# Altium PCB Goldstrike1_Rev01 2014 06 02.PcbDoc (part 3 of 5) (continued)
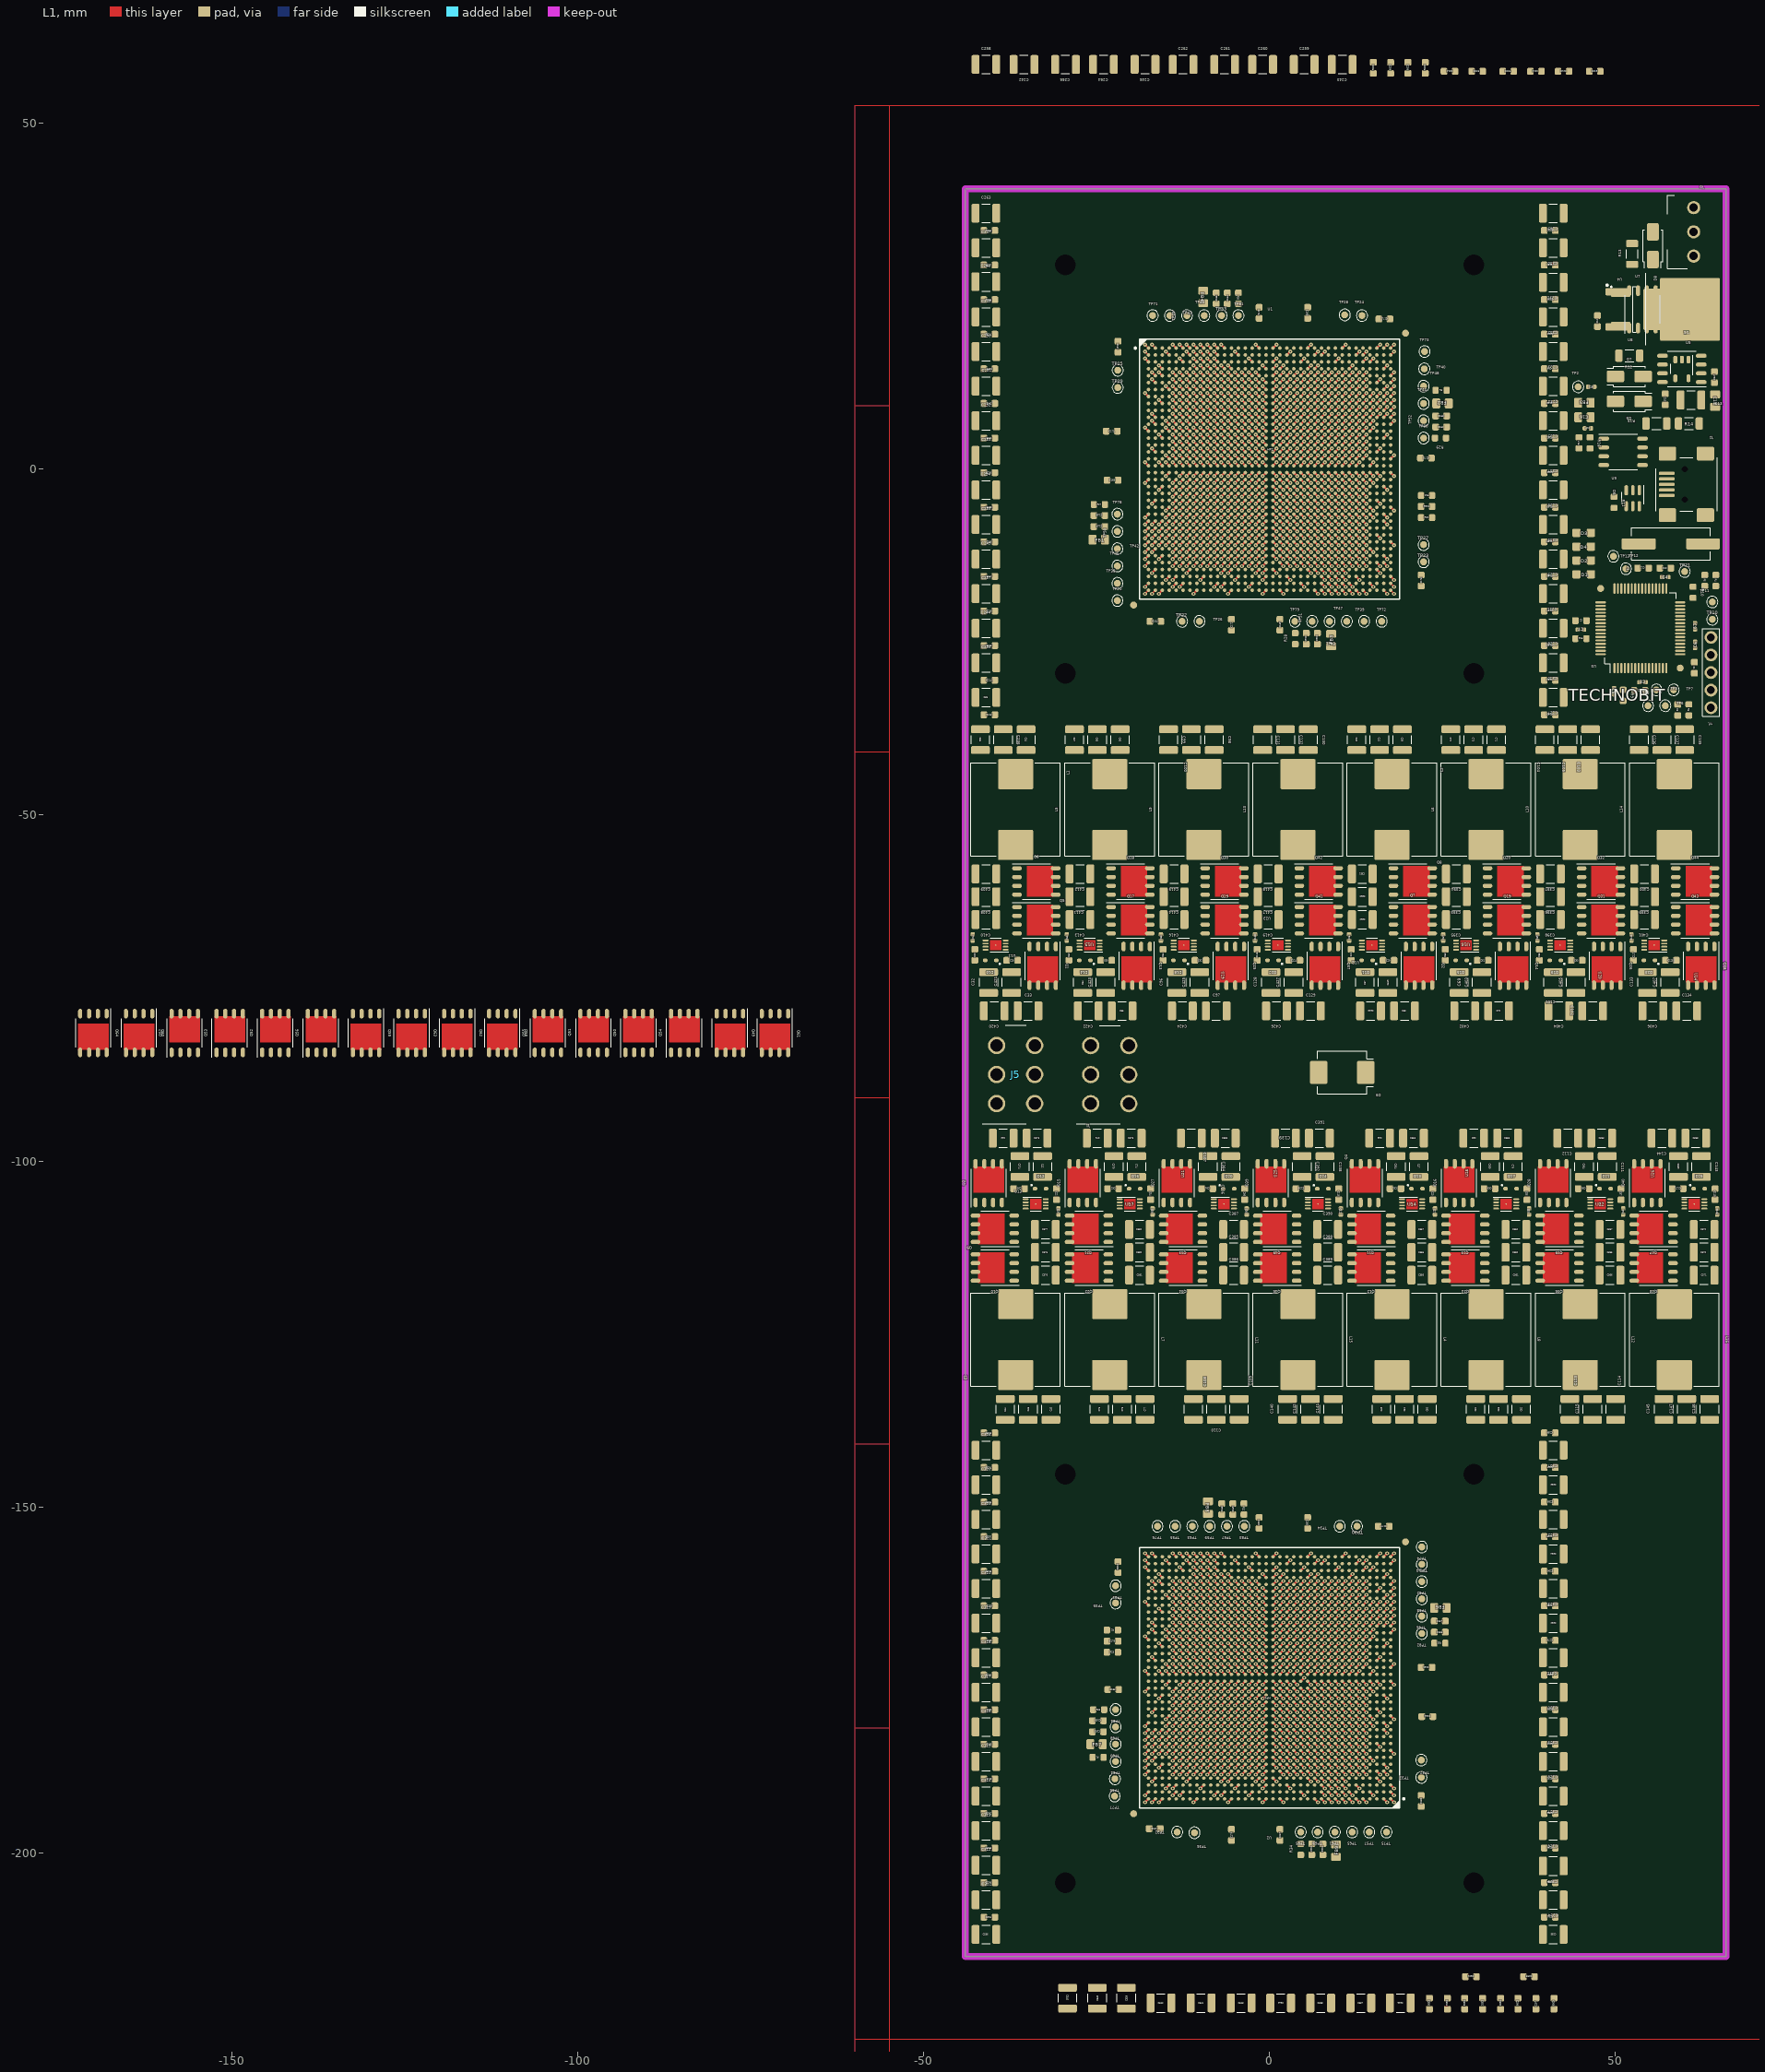
[diagram p0: L1 view]
## Nets (pads, with @x,y where several pads share a name; then routed paths per layer and width w, separated by ;. In a path a pad name is that pad's centre, name@x,y a point inside that pad or via, vN(x,y) a via of type N, cw(c..) or ccw(c..) an arc to the next point about the centre after c; other vN are vias at no path point) (continued)
  L1 w0.3: v1(-18,-182.7) U2.L36@-17.5,-182.2 ; v1(-18,-8) U1.AF1@-17.5,-7.5 ; v1(-15,-173.7) U2.W33@-14.5,-174.2 ; v1(-15,1) U1.V4@-14.5,0.5 ; v1(-14,-186.7) U2.G32@-13.5,-186.2 ; v1(-14,-184.7) U2.J32@-13.5,-184.2 ; v1(-14,-180.7) U2.N32@-13.5,-180.2 ; v1(-14,-172.7) U2.Y32@-13.5,-173.2 ; v1(-14,-170.7) U2.AB32@-13.5,-171.2 ; v1(-14,-168.7) U2.AD32@-13.5,-169.2 ; v1(-14,-166.7) U2.AF32@-13.5,-167.2 ; v1(-14,-164.7) U2.AH32@-13.5,-165.2 ; v1(-14,-12) U1.AK5@-13.5,-11.5 ; v1(-14,-10) U1.AH5@-13.5,-9.5 ; v1(-14,-6) U1.AD5@-13.5,-5.5 ; v1(-14,2) U1.U5@-13.5,1.5 ; v1(-14,4) U1.R5@-13.5,3.5 ; v1(-14,6) U1.N5@-13.5,5.5 ; v1(-14,8) U1.L5@-13.5,7.5 ; v1(-14,10) U1.J5@-13.5,9.5 ; v1(-13,-187.7) U2.F31@-12.5,-187.2 ; v1(-13,-185.7) U2.H31@-12.5,-185.2 ; v1(-13,-183.7) U2.K31@-12.5,-183.2 ; v1(-13,-181.7) U2.M31@-12.5,-181.2 ; v1(-13,-179.7) U2.P31@-12.5,-179.2 ; v1(-13,-177.7) U2.T31@-12.5,-177.2 ; v1(-13,-175.7) U2.V31@-12.5,-175.2 ; v1(-13,-173.7) U2.W31@-12.5,-174.2 ; v1(-13,-171.7) U2.AA31@-12.5,-172.2 ; v1(-13,-169.7) U2.AC31@-12.5,-170.2 ; v1(-13,-167.7) U2.AE31@-12.5,-168.2 ; v1(-13,-165.7) U2.AG31@-12.5,-166.2 ; v1(-13,-163.7) U2.AJ31@-12.5,-164.2 ; v1(-13,-161.7) U2.AL31@-12.5,-162.2 ; v1(-13,-13) U1.AL6@-12.5,-12.5 ; v1(-13,-11) U1.AJ6@-12.5,-10.5 ; v1(-13,-9) U1.AG6@-12.5,-8.5 ; v1(-13,-7) U1.AE6@-12.5,-6.5 ; v1(-13,-5) U1.AC6@-12.5,-4.5 ; v1(-13,-3) U1.AA6@-12.5,-2.5 ; v1(-13,-1) U1.W6@-12.5,-0.5 ; v1(-13,1) U1.V6@-12.5,0.5 ; v1(-13,3) U1.T6@-12.5,2.5 ; v1(-13,5) U1.P6@-12.5,4.5 ; v1(-13,7) U1.M6@-12.5,6.5 ; v1(-13,9) U1.K6@-12.5,8.5 ; v1(-13,11) U1.H6@-12.5,10.5 ; v1(-13,13) U1.F6@-12.5,12.5 ; v1(-12,-186.7) U2.G30@-11.5,-186.2 ; v1(-12,-184.7) U2.J30@-11.5,-184.2 ; v1(-12,-182.7) U2.L30@-11.5,-182.2 ; v1(-12,-180.7) U2.N30@-11.5,-180.2 ; v1(-12,-178.7) U2.R30@-11.5,-178.2 ; v1(-12,-176.7) U2.U30@-11.5,-176.2 ; v1(-12,-172.7) U2.Y30@-11.5,-173.2 ; v1(-12,-170.7) U2.AB30@-11.5,-171.2 ; v1(-12,-168.7) U2.AD30@-11.5,-169.2 ; v1(-12,-166.7) U2.AF30@-11.5,-167.2 ; v1(-12,-164.7) U2.AH30@-11.5,-165.2 ; v1(-12,-162.7) U2.AK30@-11.5,-163.2 ; v1(-12,-160.7) U2.AM30@-11.5,-161.2 ; v1(-12,-12) U1.AK7@-11.5,-11.5 ; v1(-12,-10) U1.AH7@-11.5,-9.5 ; v1(-12,-8) U1.AF7@-11.5,-7.5 ; v1(-12,-6) U1.AD7@-11.5,-5.5 ; v1(-12,-4) U1.AB7@-11.5,-3.5 ; v1(-12,-2) U1.Y7@-11.5,-1.5 ; v1(-12,2) U1.U7@-11.5,1.5 ; v1(-12,4) U1.R7@-11.5,3.5 ; v1(-12,6) U1.N7@-11.5,5.5 ; v1(-12,8) U1.L7@-11.5,7.5 ; v1(-12,10) U1.J7@-11.5,9.5 ; v1(-12,12) U1.G7@-11.5,11.5 ; v1(-12,14) U1.E7@-11.5,13.5 ; v1(-11,-187.7) U2.F29@-10.5,-187.2 ; v1(-11,-185.7) U2.H29@-10.5,-185.2 ; v1(-11,-183.7) U2.K29@-10.5,-183.2 ; v1(-11,-181.7) U2.M29@-10.5,-181.2 ; v1(-11,-179.7) U2.P29@-10.5,-179.2 ; v1(-11,-177.7) U2.T29@-10.5,-177.2 ; v1(-11,-175.7) U2.V29@-10.5,-175.2 ; v1(-11,-173.7) U2.W29@-10.5,-174.2 ; v1(-11,-171.7) U2.AA29@-10.5,-172.2 ; v1(-11,-169.7) U2.AC29@-10.5,-170.2 ; v1(-11,-167.7) U2.AE29@-10.5,-168.2 ; v1(-11,-165.7) U2.AG29@-10.5,-166.2 ; v1(-11,-163.7) U2.AJ29@-10.5,-164.2 ; v1(-11,-161.7) U2.AL29@-10.5,-162.2 ; v1(-11,-13) U1.AL8@-10.5,-12.5 ; v1(-11,-11) U1.AJ8@-10.5,-10.5 ; v1(-11,-9) U1.AG8@-10.5,-8.5 ; v1(-11,-7) U1.AE8@-10.5,-6.5 ; v1(-11,-5) U1.AC8@-10.5,-4.5 ; v1(-11,-3) U1.AA8@-10.5,-2.5 ; v1(-11,-1) U1.W8@-10.5,-0.5 ; v1(-11,1) U1.V8@-10.5,0.5 ; v1(-11,3) U1.T8@-10.5,2.5 ; v1(-11,5) U1.P8@-10.5,4.5 ; v1(-11,7) U1.M8@-10.5,6.5 ; v1(-11,9) U1.K8@-10.5,8.5 ; v1(-11,11) U1.H8@-10.5,10.5 ; v1(-11,13) U1.F8@-10.5,12.5 ; v1(-10,-188.7) U2.E28@-9.5,-188.2 ; v1(-10,-186.7) U2.G28@-9.5,-186.2 ; v1(-10,-184.7) U2.J28@-9.5,-184.2 ; v1(-10,-182.7) U2.L28@-9.5,-182.2 ; v1(-10,-180.7) U2.N28@-9.5,-180.2 ; v1(-10,-178.7) U2.R28@-9.5,-178.2 ; v1(-10,-176.7) U2.U28@-9.5,-176.2 ; v1(-10,-172.7) U2.Y28@-9.5,-173.2 ; v1(-10,-170.7) U2.AB28@-9.5,-171.2 ; v1(-10,-168.7) U2.AD28@-9.5,-169.2 ; v1(-10,-166.7) U2.AF28@-9.5,-167.2 ; v1(-10,-164.7) U2.AH28@-9.5,-165.2 ; v1(-10,-162.7) U2.AK28@-9.5,-163.2 ; v1(-10,-160.7) U2.AM28@-9.5,-161.2 ; v1(-10,-14) U1.AM9@-9.5,-13.5 ; v1(-10,-12) U1.AK9@-9.5,-11.5 ; v1(-10,-10) U1.AH9@-9.5,-9.5 ; v1(-10,-8) U1.AF9@-9.5,-7.5 ; v1(-10,-6) U1.AD9@-9.5,-5.5 ; v1(-10,-4) U1.AB9@-9.5,-3.5 ; v1(-10,-2) U1.Y9@-9.5,-1.5 ; v1(-10,2) U1.U9@-9.5,1.5 ; v1(-10,4) U1.R9@-9.5,3.5 ; v1(-10,6) U1.N9@-9.5,5.5 ; v1(-10,8) U1.L9@-9.5,7.5 ; v1(-10,10) U1.J9@-9.5,9.5 ; v1(-10,12) U1.G9@-9.5,11.5 ; v1(-10,14) U1.E9@-9.5,13.5 ; v1(-9,-187.7) U2.F27@-8.5,-187.2 ; v1(-9,-185.7) U2.H27@-8.5,-185.2 ; v1(-9,-183.7) U2.K27@-8.5,-183.2 ; v1(-9,-181.7) U2.M27@-8.5,-181.2 ; v1(-9,-179.7) U2.P27@-8.5,-179.2 ; v1(-9,-177.7) U2.T27@-8.5,-177.2 ; v1(-9,-175.7) U2.V27@-8.5,-175.2 ; v1(-9,-173.7) U2.W27@-8.5,-174.2 ; v1(-9,-171.7) U2.AA27@-8.5,-172.2 ; v1(-9,-169.7) U2.AC27@-8.5,-170.2 ; v1(-9,-167.7) U2.AE27@-8.5,-168.2 ; v1(-9,-165.7) U2.AG27@-8.5,-166.2 ; v1(-9,-163.7) U2.AJ27@-8.5,-164.2 ; v1(-9,-161.7) U2.AL27@-8.5,-162.2 ; v1(-9,-13) U1.AL10@-8.5,-12.5 ; v1(-9,-11) U1.AJ10@-8.5,-10.5 ; v1(-9,-9) U1.AG10@-8.5,-8.5 ; v1(-9,-7) U1.AE10@-8.5,-6.5 ; v1(-9,-5) U1.AC10@-8.5,-4.5 ; v1(-9,-3) U1.AA10@-8.5,-2.5 ; v1(-9,-1) U1.W10@-8.5,-0.5 ; v1(-9,1) U1.V10@-8.5,0.5 ; v1(-9,3) U1.T10@-8.5,2.5 ; v1(-9,5) U1.P10@-8.5,4.5 ; v1(-9,7) U1.M10@-8.5,6.5 ; v1(-9,9) U1.K10@-8.5,8.5 ; v1(-9,11) U1.H10@-8.5,10.5 ; v1(-9,13) U1.F10@-8.5,12.5 ; v1(-8,-188.7) U2.E26@-7.5,-188.2 ; v1(-8,-186.7) U2.G26@-7.5,-186.2 ; v1(-8,-184.7) U2.J26@-7.5,-184.2 ; v1(-8,-182.7) U2.L26@-7.5,-182.2 ; v1(-8,-180.7) U2.N26@-7.5,-180.2 ; v1(-8,-178.7) U2.R26@-7.5,-178.2 ; v1(-8,-176.7) U2.U26@-7.5,-176.2 ; v1(-8,-172.7) U2.Y26@-7.5,-173.2 ; v1(-8,-170.7) U2.AB26@-7.5,-171.2 ; v1(-8,-168.7) U2.AD26@-7.5,-169.2 ; v1(-8,-166.7) U2.AF26@-7.5,-167.2 ; v1(-8,-164.7) U2.AH26@-7.5,-165.2 ; v1(-8,-162.7) U2.AK26@-7.5,-163.2 ; v1(-8,-156.7) U2.AT26@-7.5,-157.2 ; v1(-8,-14) U1.AM11@-7.5,-13.5 ; v1(-8,-12) U1.AK11@-7.5,-11.5 ; v1(-8,-10) U1.AH11@-7.5,-9.5 ; v1(-8,-8) U1.AF11@-7.5,-7.5 ; v1(-8,-6) U1.AD11@-7.5,-5.5 ; v1(-8,-4) U1.AB11@-7.5,-3.5 ; v1(-8,-2) U1.Y11@-7.5,-1.5 ; v1(-8,2) U1.U11@-7.5,1.5 ; v1(-8,4) U1.R11@-7.5,3.5 ; v1(-8,6) U1.N11@-7.5,5.5 ; v1(-8,8) U1.L11@-7.5,7.5 ; v1(-8,10) U1.J11@-7.5,9.5 ; v1(-8,12) U1.G11@-7.5,11.5 ; v1(-8,18) U1.A11@-7.5,17.5 ; v1(-7,-187.7) U2.F25@-6.5,-187.2 ; v1(-7,-185.7) U2.H25@-6.5,-185.2 ; v1(-7,-183.7) U2.K25@-6.5,-183.2 ; v1(-7,-181.7) U2.M25@-6.5,-181.2 ; v1(-7,-179.7) U2.P25@-6.5,-179.2 ; v1(-7,-177.7) U2.T25@-6.5,-177.2 ; v1(-7,-175.7) U2.V25@-6.5,-175.2 ; v1(-7,-173.7) U2.W25@-6.5,-174.2 ; v1(-7,-171.7) U2.AA25@-6.5,-172.2 ; v1(-7,-169.7) U2.AC25@-6.5,-170.2 ; v1(-7,-167.7) U2.AE25@-6.5,-168.2 ; v1(-7,-165.7) U2.AG25@-6.5,-166.2 ; v1(-7,-163.7) U2.AJ25@-6.5,-164.2 ; v1(-7,-161.7) U2.AL25@-6.5,-162.2 ; v1(-7,-13) U1.AL12@-6.5,-12.5 ; v1(-7,-11) U1.AJ12@-6.5,-10.5 ; v1(-7,-9) U1.AG12@-6.5,-8.5 ; v1(-7,-7) U1.AE12@-6.5,-6.5 ; v1(-7,-5) U1.AC12@-6.5,-4.5 ; v1(-7,-3) U1.AA12@-6.5,-2.5 ; v1(-7,-1) U1.W12@-6.5,-0.5 ; v1(-7,1) U1.V12@-6.5,0.5 ; v1(-7,3) U1.T12@-6.5,2.5 ; v1(-7,5) U1.P12@-6.5,4.5 ; v1(-7,7) U1.M12@-6.5,6.5 ; v1(-7,9) U1.K12@-6.5,8.5 ; v1(-7,11) U1.H12@-6.5,10.5 ; v1(-7,13) U1.F12@-6.5,12.5 ; v1(-6,-188.7) U2.E24@-5.5,-188.2 ; v1(-6,-186.7) U2.G24@-5.5,-186.2 ; v1(-6,-184.7) U2.J24@-5.5,-184.2 ; v1(-6,-182.7) U2.L24@-5.5,-182.2 ; v1(-6,-180.7) U2.N24@-5.5,-180.2 ; v1(-6,-178.7) U2.R24@-5.5,-178.2 ; v1(-6,-176.7) U2.U24@-5.5,-176.2 ; v1(-6,-172.7) U2.Y24@-5.5,-173.2 ; v1(-6,-170.7) U2.AB24@-5.5,-171.2 ; v1(-6,-168.7) U2.AD24@-5.5,-169.2 ; v1(-6,-166.7) U2.AF24@-5.5,-167.2 ; v1(-6,-164.7) U2.AH24@-5.5,-165.2 ; v1(-6,-162.7) U2.AK24@-5.5,-163.2 ; v1(-6,-160.7) U2.AM24@-5.5,-161.2 ; v1(-6,-14) U1.AM13@-5.5,-13.5 ; v1(-6,-12) U1.AK13@-5.5,-11.5 ; v1(-6,-10) U1.AH13@-5.5,-9.5 ; v1(-6,-8) U1.AF13@-5.5,-7.5 ; v1(-6,-6) U1.AD13@-5.5,-5.5 ; v1(-6,-4) U1.AB13@-5.5,-3.5 ; v1(-6,-2) U1.Y13@-5.5,-1.5 ; v1(-6,2) U1.U13@-5.5,1.5 ; v1(-6,4) U1.R13@-5.5,3.5 ; v1(-6,6) U1.N13@-5.5,5.5 ; v1(-6,8) U1.L13@-5.5,7.5 ; v1(-6,10) U1.J13@-5.5,9.5 ; v1(-6,12) U1.G13@-5.5,11.5 ; v1(-6,14) U1.E13@-5.5,13.5 ; v1(-5,-187.7) U2.F23@-4.5,-187.2 ; v1(-5,-185.7) U2.H23@-4.5,-185.2 ; v1(-5,-183.7) U2.K23@-4.5,-183.2 ; v1(-5,-181.7) U2.M23@-4.5,-181.2 ; v1(-5,-179.7) U2.P23@-4.5,-179.2 ; v1(-5,-177.7) U2.T23@-4.5,-177.2 ; v1(-5,-175.7) U2.V23@-4.5,-175.2 ; v1(-5,-173.7) U2.W23@-4.5,-174.2 ; v1(-5,-171.7) U2.AA23@-4.5,-172.2 ; v1(-5,-169.7) U2.AC23@-4.5,-170.2 ; v1(-5,-167.7) U2.AE23@-4.5,-168.2 ; v1(-5,-165.7) U2.AG23@-4.5,-166.2 ; v1(-5,-163.7) U2.AJ23@-4.5,-164.2 ; v1(-5,-161.7) U2.AL23@-4.5,-162.2 ; v1(-5,-13) U1.AL14@-4.5,-12.5 ; v1(-5,-11) U1.AJ14@-4.5,-10.5 ; v1(-5,-9) U1.AG14@-4.5,-8.5 ; v1(-5,-7) U1.AE14@-4.5,-6.5 ; v1(-5,-5) U1.AC14@-4.5,-4.5 ; v1(-5,-3) U1.AA14@-4.5,-2.5 ; v1(-5,-1) U1.W14@-4.5,-0.5 ; v1(-5,1) U1.V14@-4.5,0.5 ; v1(-5,3) U1.T14@-4.5,2.5 ; v1(-5,5) U1.P14@-4.5,4.5 ; v1(-5,7) U1.M14@-4.5,6.5 ; v1(-5,9) U1.K14@-4.5,8.5 ; v1(-5,11) U1.H14@-4.5,10.5 ; v1(-5,13) U1.F14@-4.5,12.5 ; v1(-4,-188.7) U2.E22@-3.5,-188.2 ; v1(-4,-186.7) U2.G22@-3.5,-186.2 ; v1(-4,-184.7) U2.J22@-3.5,-184.2 ; v1(-4,-182.7) U2.L22@-3.5,-182.2 ; v1(-4,-180.7) U2.N22@-3.5,-180.2 ; v1(-4,-178.7) U2.R22@-3.5,-178.2 ; v1(-4,-176.7) U2.U22@-3.5,-176.2 ; v1(-4,-172.7) U2.Y22@-3.5,-173.2 ; v1(-4,-170.7) U2.AB22@-3.5,-171.2 ; v1(-4,-168.7) U2.AD22@-3.5,-169.2 ; v1(-4,-166.7) U2.AF22@-3.5,-167.2 ; v1(-4,-164.7) U2.AH22@-3.5,-165.2 ; v1(-4,-162.7) U2.AK22@-3.5,-163.2 ; v1(-4,-14) U1.AM15@-3.5,-13.5 ; v1(-4,-12) U1.AK15@-3.5,-11.5 ; v1(-4,-10) U1.AH15@-3.5,-9.5 ; v1(-4,-8) U1.AF15@-3.5,-7.5 ; v1(-4,-6) U1.AD15@-3.5,-5.5 ; v1(-4,-4) U1.AB15@-3.5,-3.5 ; v1(-4,-2) U1.Y15@-3.5,-1.5 ; v1(-4,2) U1.U15@-3.5,1.5 ; v1(-4,4) U1.R15@-3.5,3.5 ; v1(-4,6) U1.N15@-3.5,5.5 ; v1(-4,8) U1.L15@-3.5,7.5 ; v1(-4,10) U1.J15@-3.5,9.5 ; v1(-4,12) U1.G15@-3.5,11.5 ; v1(-3,-187.7) U2.F21@-2.5,-187.2 ; v1(-3,-185.7) U2.H21@-2.5,-185.2 ; v1(-3,-183.7) U2.K21@-2.5,-183.2 ; v1(-3,-181.7) U2.M21@-2.5,-181.2 ; v1(-3,-179.7) U2.P21@-2.5,-179.2 ; v1(-3,-177.7) U2.T21@-2.5,-177.2 ; v1(-3,-175.7) U2.V21@-2.5,-175.2 ; v1(-3,-173.7) U2.W21@-2.5,-174.2 ; v1(-3,-171.7) U2.AA21@-2.5,-172.2 ; v1(-3,-169.7) U2.AC21@-2.5,-170.2 ; v1(-3,-167.7) U2.AE21@-2.5,-168.2 ; v1(-3,-165.7) U2.AG21@-2.5,-166.2 ; v1(-3,-163.7) U2.AJ21@-2.5,-164.2 ; v1(-3,-161.7) U2.AL21@-2.5,-162.2 ; v1(-3,-13) U1.AL16@-2.5,-12.5 ; v1(-3,-11) U1.AJ16@-2.5,-10.5 ; v1(-3,-9) U1.AG16@-2.5,-8.5 ; v1(-3,-7) U1.AE16@-2.5,-6.5 ; v1(-3,-5) U1.AC16@-2.5,-4.5 ; v1(-3,-3) U1.AA16@-2.5,-2.5 ; v1(-3,-1) U1.W16@-2.5,-0.5 ; v1(-3,1) U1.V16@-2.5,0.5 ; v1(-3,3) U1.T16@-2.5,2.5 ; v1(-3,5) U1.P16@-2.5,4.5 ; v1(-3,7) U1.M16@-2.5,6.5 ; v1(-3,9) U1.K16@-2.5,8.5 ; v1(-3,11) U1.H16@-2.5,10.5 ; v1(-3,13) U1.F16@-2.5,12.5 ; v1(-2,-188.7) U2.E20@-1.5,-188.2 ; v1(-2,-186.7) U2.G20@-1.5,-186.2 ; v1(-2,-184.7) U2.J20@-1.5,-184.2 ; v1(-2,-182.7) U2.L20@-1.5,-182.2 ; v1(-2,-180.7) U2.N20@-1.5,-180.2 ; v1(-2,-178.7) U2.R20@-1.5,-178.2 ; v1(-2,-176.7) U2.U20@-1.5,-176.2 ; v1(-2,-172.7) U2.Y20@-1.5,-173.2 ; v1(-2,-170.7) U2.AB20@-1.5,-171.2 ; v1(-2,-168.7) U2.AD20@-1.5,-169.2 ; v1(-2,-166.7) U2.AF20@-1.5,-167.2 ; v1(-2,-164.7) U2.AH20@-1.5,-165.2 ; v1(-2,-162.7) U2.AK20@-1.5,-163.2 ; v1(-2,-14) U1.AM17@-1.5,-13.5 ; v1(-2,-12) U1.AK17@-1.5,-11.5 ; v1(-2,-10) U1.AH17@-1.5,-9.5 ; v1(-2,-8) U1.AF17@-1.5,-7.5 ; v1(-2,-6) U1.AD17@-1.5,-5.5 ; v1(-2,-4) U1.AB17@-1.5,-3.5 ; v1(-2,-2) U1.Y17@-1.5,-1.5 ; v1(-2,2) U1.U17@-1.5,1.5 ; v1(-2,4) U1.R17@-1.5,3.5 ; v1(-2,6) U1.N17@-1.5,5.5 ; v1(-2,8) U1.L17@-1.5,7.5 ; v1(-2,10) U1.J17@-1.5,9.5 ; v1(-2,12) U1.G17@-1.5,11.5 ; v1(-1,-189.7) U2.D19@-0.5,-189.2 ; v1(-1,-187.7) U2.F19@-0.5,-187.2 ; v1(-1,-185.7) U2.H19@-0.5,-185.2 ; v1(-1,-183.7) U2.K19@-0.5,-183.2 ; v1(-1,-181.7) U2.M19@-0.5,-181.2 ; v1(-1,-179.7) U2.P19@-0.5,-179.2 ; v1(-1,-177.7) U2.T19@-0.5,-177.2 ; v1(-1,-175.7) U2.V19@-0.5,-175.2 ; v1(-1,-173.7) U2.W19@-0.5,-174.2 ; v1(-1,-171.7) U2.AA19@-0.5,-172.2 ; v1(-1,-169.7) U2.AC19@-0.5,-170.2 ; v1(-1,-167.7) U2.AE19@-0.5,-168.2 ; v1(-1,-165.7) U2.AG19@-0.5,-166.2 ; v1(-1,-163.7) U2.AJ19@-0.5,-164.2 ; v1(-1,-161.7) U2.AL19@-0.5,-162.2 ; v1(-1,-15) U1.AN18@-0.5,-14.5 ; v1(-1,-13) U1.AL18@-0.5,-12.5 ; v1(-1,-11) U1.AJ18@-0.5,-10.5 ; v1(-1,-9) U1.AG18@-0.5,-8.5 ; v1(-1,-7) U1.AE18@-0.5,-6.5 ; v1(-1,-5) U1.AC18@-0.5,-4.5 ; v1(-1,-3) U1.AA18@-0.5,-2.5 ; v1(-1,-1) U1.W18@-0.5,-0.5 ; v1(-1,1) U1.V18@-0.5,0.5 ; v1(-1,3) U1.T18@-0.5,2.5 ; v1(-1,5) U1.P18@-0.5,4.5 ; v1(-1,7) U1.M18@-0.5,6.5 ; v1(-1,9) U1.K18@-0.5,8.5 ; v1(-1,11) U1.H18@-0.5,10.5 ; v1(-1,13) U1.F18@-0.5,12.5 ; U2.F18@0.5,-187.2 v1(1,-187.7) ; U2.H18@0.5,-185.2 v1(1,-185.7) ; U2.K18@0.5,-183.2 v1(1,-183.7) ; U2.M18@0.5,-181.2 v1(1,-181.7) ; U2.P18@0.5,-179.2 v1(1,-179.7) ; U2.T18@0.5,-177.2 v1(1,-177.7) ; U2.V18@0.5,-175.2 v1(1,-175.7) ; U2.W18@0.5,-174.2 v1(1,-173.7) ; U2.AA18@0.5,-172.2 v1(1,-171.7) ; U2.AC18@0.5,-170.2 v1(1,-169.7) ; U2.AE18@0.5,-168.2 v1(1,-167.7) ; U2.AG18@0.5,-166.2 v1(1,-165.7) ; U2.AJ18@0.5,-164.2 v1(1,-163.7) ; U2.AL18@0.5,-162.2 v1(1,-161.7) ; U2.AN18@0.5,-160.2 v1(1,-159.7) ; U1.AL19@0.5,-12.5 v1(1,-13) ; U1.AJ19@0.5,-10.5 v1(1,-11) ; U1.AG19@0.5,-8.5 v1(1,-9) ; U1.AE19@0.5,-6.5 v1(1,-7) ; U1.AC19@0.5,-4.5 v1(1,-5) ; U1.AA19@0.5,-2.5 v1(1,-3) ; U1.W19@0.5,-0.5 v1(1,-1) ; U1.V19@0.5,0.5 v1(1,1) ; U1.T19@0.5,2.5 v1(1,3) ; U1.P19@0.5,4.5 v1(1,5) ; U1.M19@0.5,6.5 v1(1,7) ; U1.K19@0.5,8.5 v1(1,9) ; U1.H19@0.5,10.5 v1(1,11) ; U1.F19@0.5,12.5 v1(1,13) ; U1.D19@0.5,14.5 v1(1,15) ; U2.G17@1.5,-186.2 v1(2,-186.7) ; U2.J17@1.5,-184.2 v1(2,-184.7) ; U2.L17@1.5,-182.2 v1(2,-182.7) ; U2.N17@1.5,-180.2 v1(2,-180.7) ; U2.R17@1.5,-178.2 v1(2,-178.7) ; U2.U17@1.5,-176.2 v1(2,-176.7) ; U2.Y17@1.5,-173.2 v1(2,-172.7) ; U2.AB17@1.5,-171.2 v1(2,-170.7) ; U2.AD17@1.5,-169.2 v1(2,-168.7) ; U2.AF17@1.5,-167.2 v1(2,-166.7) ; U2.AH17@1.5,-165.2 v1(2,-164.7) ; U2.AK17@1.5,-163.2 v1(2,-162.7) ; U2.AM17@1.5,-161.2 v1(2,-160.7) ; U1.AK20@1.5,-11.5 v1(2,-12) ; U1.AH20@1.5,-9.5 v1(2,-10) ; U1.AF20@1.5,-7.5 v1(2,-8) ; U1.AD20@1.5,-5.5 v1(2,-6) ; U1.AB20@1.5,-3.5 v1(2,-4) ; U1.Y20@1.5,-1.5 v1(2,-2) ; U1.U20@1.5,1.5 v1(2,2) ; U1.R20@1.5,3.5 v1(2,4) ; U1.N20@1.5,5.5 v1(2,6) ; U1.L20@1.5,7.5 v1(2,8) ; U1.J20@1.5,9.5 v1(2,10) ; U1.G20@1.5,11.5 v1(2,12) ; U1.E20@1.5,13.5 v1(2,14) ; U2.F16@2.5,-187.2 v1(3,-187.7) ; U2.H16@2.5,-185.2 v1(3,-185.7) ; U2.K16@2.5,-183.2 v1(3,-183.7) ; U2.M16@2.5,-181.2 v1(3,-181.7) ; U2.P16@2.5,-179.2 v1(3,-179.7) ; U2.T16@2.5,-177.2 v1(3,-177.7) ; U2.V16@2.5,-175.2 v1(3,-175.7) ; U2.W16@2.5,-174.2 v1(3,-173.7) ; U2.AA16@2.5,-172.2 v1(3,-171.7) ; U2.AC16@2.5,-170.2 v1(3,-169.7) ; U2.AE16@2.5,-168.2 v1(3,-167.7) ; U2.AG16@2.5,-166.2 v1(3,-165.7) ; U2.AJ16@2.5,-164.2 v1(3,-163.7) ; U2.AL16@2.5,-162.2 v1(3,-161.7) ; U1.AL21@2.5,-12.5 v1(3,-13) ; U1.AJ21@2.5,-10.5 v1(3,-11) ; U1.AG21@2.5,-8.5 v1(3,-9) ; U1.AE21@2.5,-6.5 v1(3,-7) ; U1.AC21@2.5,-4.5 v1(3,-5) ; U1.AA21@2.5,-2.5 v1(3,-3) ; U1.W21@2.5,-0.5 v1(3,-1) ; U1.V21@2.5,0.5 v1(3,1) ; U1.T21@2.5,2.5 v1(3,3) ; U1.P21@2.5,4.5 v1(3,5) ; U1.M21@2.5,6.5 v1(3,7) ; U1.K21@2.5,8.5 v1(3,9) ; U1.H21@2.5,10.5 v1(3,11) ; U1.F21@2.5,12.5 v1(3,13) ; U2.G15@3.5,-186.2 v1(4,-186.7) ; U2.J15@3.5,-184.2 v1(4,-184.7) ; U2.L15@3.5,-182.2 v1(4,-182.7) ; U2.N15@3.5,-180.2 v1(4,-180.7) ; U2.R15@3.5,-178.2 v1(4,-178.7) ; U2.U15@3.5,-176.2 v1(4,-176.7) ; U2.Y15@3.5,-173.2 v1(4,-172.7) ; U2.AB15@3.5,-171.2 v1(4,-170.7) ; U2.AD15@3.5,-169.2 v1(4,-168.7) ; U2.AF15@3.5,-167.2 v1(4,-166.7) ; U2.AH15@3.5,-165.2 v1(4,-164.7) ; U2.AK15@3.5,-163.2 v1(4,-162.7) ; U2.AM15@3.5,-161.2 v1(4,-160.7) ; U1.AK22@3.5,-11.5 v1(4,-12) ; U1.AH22@3.5,-9.5 v1(4,-10) ; U1.AF22@3.5,-7.5 v1(4,-8) ; U1.AD22@3.5,-5.5 v1(4,-6) ; U1.AB22@3.5,-3.5 v1(4,-4) ; U1.Y22@3.5,-1.5 v1(4,-2) ; U1.U22@3.5,1.5 v1(4,2) ; U1.R22@3.5,3.5 v1(4,4) ; U1.N22@3.5,5.5 v1(4,6) ; U1.L22@3.5,7.5 v1(4,8) ; U1.J22@3.5,9.5 v1(4,10) ; U1.G22@3.5,11.5 v1(4,12) ; U1.E22@3.5,13.5 v1(4,14) ; U2.F14@4.5,-187.2 v1(5,-187.7) ; U2.H14@4.5,-185.2 v1(5,-185.7) ; U2.K14@4.5,-183.2 v1(5,-183.7) ; U2.M14@4.5,-181.2 v1(5,-181.7) ; U2.P14@4.5,-179.2 v1(5,-179.7) ; U2.T14@4.5,-177.2 v1(5,-177.7) ; U2.V14@4.5,-175.2 v1(5,-174.7) ; U2.W14@4.5,-174.2 v1(5,-173.7) ; U2.AA14@4.5,-172.2 v1(5,-171.7) ; U2.AC14@4.5,-170.2 v1(5,-169.7) ; U2.AE14@4.5,-168.2 v1(5,-167.7) ; U2.AG14@4.5,-166.2 v1(5,-165.7) ; U2.AJ14@4.5,-164.2 v1(5,-163.7) ; U2.AL14@4.5,-162.2 v1(5,-161.7) ; U1.AL23@4.5,-12.5 v1(5,-13) ; U1.AJ23@4.5,-10.5 v1(5,-11) ; U1.AG23@4.5,-8.5 v1(5,-9) ; U1.AE23@4.5,-6.5 v1(5,-7) ; U1.AC23@4.5,-4.5 v1(5,-5) ; U1.AA23@4.5,-2.5 v1(5,-3) ; U1.W23@4.5,-0.5 v1(5,-1) ; U1.V23@4.5,0.5 v1(5,1) ; U1.T23@4.5,2.5 v1(5,3) ; U1.P23@4.5,4.5 v1(5,5) ; U1.M23@4.5,6.5 v1(5,7) ; U1.K23@4.5,8.5 v1(5,9) ; U1.H23@4.5,10.5 v1(5,11) ; U1.F23@4.5,12.5 v1(5,13) ; U2.E13@5.5,-188.2 v1(6,-188.7) ; U2.G13@5.5,-186.2 v1(6,-186.7) ; U2.J13@5.5,-184.2 v1(6,-184.7) ; U2.L13@5.5,-182.2 v1(6,-182.7) ; U2.N13@5.5,-180.2 v1(6,-180.7) ; U2.R13@5.5,-178.2 v1(6,-178.7) ; U2.U13@5.5,-176.2 v1(6,-176.7) ; U2.Y13@5.5,-173.2 v1(6,-172.7) ; U2.AB13@5.5,-171.2 v1(6,-170.7) ; U2.AD13@5.5,-169.2 v1(6,-168.7) ; U2.AF13@5.5,-167.2 v1(6,-166.7) ; U2.AH13@5.5,-165.2 v1(6,-164.7) ; U2.AK13@5.5,-163.2 v1(6,-162.7) ; U2.AM13@5.5,-161.2 v1(6,-160.7) ; U1.AM24@5.5,-13.5 v1(6,-14) ; U1.AK24@5.5,-11.5 v1(6,-12) ; U1.AH24@5.5,-9.5 v1(6,-10) ; U1.AF24@5.5,-7.5 v1(6,-8) ; U1.AD24@5.5,-5.5 v1(6,-6) ; U1.AB24@5.5,-3.5 v1(6,-4) ; U1.Y24@5.5,-1.5 v1(6,-2) ; U1.U24@5.5,1.5 v1(6,2) ; U1.R24@5.5,3.5 v1(6,4) ; U1.N24@5.5,5.5 v1(6,6) ; U1.L24@5.5,7.5 v1(6,8) ; U1.J24@5.5,9.5 v1(6,10) ; U1.G24@5.5,11.5 v1(6,12) ; U1.E24@5.5,13.5 v1(6,14) ; U2.F12@6.5,-187.2 v1(7,-187.7) ; U2.H12@6.5,-185.2 v1(7,-185.7) ; U2.K12@6.5,-183.2 v1(7,-183.7) ; U2.M12@6.5,-181.2 v1(7,-181.7) ; U2.P12@6.5,-179.2 v1(7,-179.7) ; U2.T12@6.5,-177.2 v1(7,-177.7) ; U2.V12@6.5,-175.2 v1(7,-175.7) ; U2.W12@6.5,-174.2 v1(7,-173.7) ; U2.AA12@6.5,-172.2 v1(7,-171.7) ; U2.AC12@6.5,-170.2 v1(7,-169.7) ; U2.AE12@6.5,-168.2 v1(7,-167.7) ; U2.AG12@6.5,-166.2 v1(7,-165.7) ; U2.AJ12@6.5,-164.2 v1(7,-163.7) ; U2.AL12@6.5,-162.2 v1(7,-161.7) ; U1.AL25@6.5,-12.5 v1(7,-13) ; U1.AJ25@6.5,-10.5 v1(7,-11) ; U1.AG25@6.5,-8.5 v1(7,-9) ; U1.AE25@6.5,-6.5 v1(7,-7) ; U1.AC25@6.5,-4.5 v1(7,-5) ; U1.AA25@6.5,-2.5 v1(7,-3) ; U1.W25@6.5,-0.5 v1(7,-1) ; U1.V25@6.5,0.5 v1(7,1) ; U1.T25@6.5,2.5 v1(7,3) ; U1.P25@6.5,4.5 v1(7,5) ; U1.M25@6.5,6.5 v1(7,7) ; U1.K25@6.5,8.5 v1(7,9) ; U1.H25@6.5,10.5 v1(7,11) ; U1.F25@6.5,12.5 v1(7,13) ; U2.A11@7.5,-192.2 v1(8,-192.7) ; U2.G11@7.5,-186.2 v1(8,-186.7) ; U2.J11@7.5,-184.2 v1(8,-184.7) ; U2.L11@7.5,-182.2 v1(8,-182.7) ; U2.N11@7.5,-180.2 v1(8,-180.7) ; U2.R11@7.5,-178.2 v1(8,-178.7) ; U2.U11@7.5,-176.2 v1(8,-176.7) ; U2.Y11@7.5,-173.2 v1(8,-172.7) ; U2.AB11@7.5,-171.2 v1(8,-170.7) ; U2.AD11@7.5,-169.2 v1(8,-168.7) ; U2.AF11@7.5,-167.2 v1(8,-166.7) ; U2.AH11@7.5,-165.2 v1(8,-164.7) ; U2.AK11@7.5,-163.2 v1(8,-162.7) ; U2.AM11@7.5,-161.2 v1(8,-160.7) ; U1.AT26@7.5,-17.5 v1(8,-18) ; U1.AK26@7.5,-11.5 v1(8,-12) ; U1.AH26@7.5,-9.5 v1(8,-10) ; U1.AF26@7.5,-7.5 v1(8,-8) ; U1.AD26@7.5,-5.5 v1(8,-6) ; U1.AB26@7.5,-3.5 v1(8,-4) ; U1.Y26@7.5,-1.5 v1(8,-2) ; U1.U26@7.5,1.5 v1(8,2) ; U1.R26@7.5,3.5 v1(8,4) ; U1.N26@7.5,5.5 v1(8,6) ; U1.L26@7.5,7.5 v1(8,8) ; U1.J26@7.5,9.5 v1(8,10) ; U1.G26@7.5,11.5 v1(8,12) ; U1.E26@7.5,13.5 v1(8,14) ; U2.F10@8.5,-187.2 v1(9,-187.7) ; U2.H10@8.5,-185.2 v1(9,-185.7) ; U2.K10@8.5,-183.2 v1(9,-183.7) ; U2.M10@8.5,-181.2 v1(9,-181.7) ; U2.P10@8.5,-179.2 v1(9,-179.7) ; U2.T10@8.5,-177.2 v1(9,-177.7) ; U2.V10@8.5,-175.2 v1(9,-175.7) ; U2.W10@8.5,-174.2 v1(9,-173.7) ; U2.AA10@8.5,-172.2 v1(9,-171.7) ; U2.AC10@8.5,-170.2 v1(9,-169.7) ; U2.AE10@8.5,-168.2 v1(9,-167.7) ; U2.AG10@8.5,-166.2 v1(9,-165.7) ; U2.AJ10@8.5,-164.2 v1(9,-163.7) ; U2.AL10@8.5,-162.2 v1(9,-161.7) ; U1.AL27@8.5,-12.5 v1(9,-13) ; U1.AJ27@8.5,-10.5 v1(9,-11) ; U1.AG27@8.5,-8.5 v1(9,-9) ; U1.AE27@8.5,-6.5 v1(9,-7) ; U1.AC27@8.5,-4.5 v1(9,-5) ; U1.AA27@8.5,-2.5 v1(9,-3) ; U1.W27@8.5,-0.5 v1(9,-1) ; U1.V27@8.5,0.5 v1(9,1) ; U1.T27@8.5,2.5 v1(9,3) ; U1.P27@8.5,4.5 v1(9,5) ; U1.M27@8.5,6.5 v1(9,7) ; U1.K27@8.5,8.5 v1(9,9) ; U1.H27@8.5,10.5 v1(9,11) ; U1.F27@8.5,12.5 v1(9,13) ; U2.E9@9.5,-188.2 v1(10,-188.7) ; U2.G9@9.5,-186.2 v1(10,-186.7) ; U2.J9@9.5,-184.2 v1(10,-184.7) ; U2.L9@9.5,-182.2 v1(10,-182.7) ; U2.N9@9.5,-180.2 v1(10,-180.7) ; U2.R9@9.5,-178.2 v1(10,-178.7) ; U2.U9@9.5,-176.2 v1(10,-176.7) ; U2.Y9@9.5,-173.2 v1(10,-172.7) ; U2.AB9@9.5,-171.2 v1(10,-170.7) ; U2.AD9@9.5,-169.2 v1(10,-168.7) ; U2.AF9@9.5,-167.2 v1(10,-166.7) ; U2.AH9@9.5,-165.2 v1(10,-164.7) ; U2.AK9@9.5,-163.2 v1(10,-162.7) ; U2.AM9@9.5,-161.2 v1(10,-160.7) ; U1.AM28@9.5,-13.5 v1(10,-14) ; U1.AK28@9.5,-11.5 v1(10,-12) ; U1.AH28@9.5,-9.5 v1(10,-10) ; U1.AF28@9.5,-7.5 v1(10,-8) ; U1.AD28@9.5,-5.5 v1(10,-6) ; U1.AB28@9.5,-3.5 v1(10,-4) ; U1.Y28@9.5,-1.5 v1(10,-2) ; U1.U28@9.5,1.5 v1(10,2) ; U1.R28@9.5,3.5 v1(10,4) ; U1.N28@9.5,5.5 v1(10,6) ; U1.L28@9.5,7.5 v1(10,8) ; U1.J28@9.5,9.5 v1(10,10) ; U1.G28@9.5,11.5 v1(10,12) ; U1.E28@9.5,13.5 v1(10,14) ; U2.F8@10.5,-187.2 v1(11,-187.7) ; U2.H8@10.5,-185.2 v1(11,-185.7) ; U2.K8@10.5,-183.2 v1(11,-183.7) ; U2.M8@10.5,-181.2 v1(11,-181.7) ; U2.P8@10.5,-179.2 v1(11,-179.7) ; U2.T8@10.5,-177.2 v1(11,-177.7) ; U2.V8@10.5,-175.2 v1(11,-175.7) ; U2.W8@10.5,-174.2 v1(11,-173.7) ; U2.AA8@10.5,-172.2 v1(11,-171.7) ; U2.AC8@10.5,-170.2 v1(11,-169.7) ; U2.AE8@10.5,-168.2 v1(11,-167.7) ; U2.AG8@10.5,-166.2 v1(11,-165.7) ; U2.AJ8@10.5,-164.2 v1(11,-163.7) ; U2.AL8@10.5,-162.2 v1(11,-161.7) ; U1.AL29@10.5,-12.5 v1(11,-13) ; U1.AJ29@10.5,-10.5 v1(11,-11) ; U1.AG29@10.5,-8.5 v1(11,-9) ; U1.AE29@10.5,-6.5 v1(11,-7) ; U1.AC29@10.5,-4.5 v1(11,-5) ; U1.AA29@10.5,-2.5 v1(11,-3) ; U1.W29@10.5,-0.5 v1(11,-1) ; U1.V29@10.5,0.5 v1(11,1) ; U1.T29@10.5,2.5 v1(11,3) ; U1.P29@10.5,4.5 v1(11,5) ; U1.M29@10.5,6.5 v1(11,7) ; U1.K29@10.5,8.5 v1(11,9) ; U1.H29@10.5,10.5 v1(11,11) ; U1.F29@10.5,12.5 v1(11,13) ; U2.E7@11.5,-188.2 v1(12,-188.7) ; U2.G7@11.5,-186.2 v1(12,-186.7) ; U2.J7@11.5,-184.2 v1(12,-184.7) ; U2.L7@11.5,-182.2 v1(12,-182.7) ; U2.N7@11.5,-180.2 v1(12,-180.7) ; U2.R7@11.5,-178.2 v1(12,-178.7) ; U2.U7@11.5,-176.2 v1(12,-176.7) ; U2.Y7@11.5,-173.2 v1(12,-172.7) ; U2.AB7@11.5,-171.2 v1(12,-170.7) ; U2.AD7@11.5,-169.2 v1(12,-168.7) ; U2.AF7@11.5,-167.2 v1(12,-166.7) ; U2.AH7@11.5,-165.2 v1(12,-164.7) ; U2.AK7@11.5,-163.2 v1(12,-162.7) ; U1.AM30@11.5,-13.5 v1(12,-14) ; U1.AK30@11.5,-11.5 v1(12,-12) ; U1.AH30@11.5,-9.5 v1(12,-10) ; U1.AF30@11.5,-7.5 v1(12,-8) ; U1.AD30@11.5,-5.5 v1(12,-6) ; U1.AB30@11.5,-3.5 v1(12,-4) ; U1.Y30@11.5,-1.5 v1(12,-2) ; U1.U30@11.5,1.5 v1(12,2) ; U1.R30@11.5,3.5 v1(12,4) ; U1.N30@11.5,5.5 v1(12,6) ; U1.L30@11.5,7.5 v1(12,8) ; U1.J30@11.5,9.5 v1(12,10) ; U1.G30@11.5,11.5 v1(12,12) ; U2.F6@12.5,-187.2 v1(13,-187.7) ; U2.H6@12.5,-185.2 v1(13,-185.7) ; U2.K6@12.5,-183.2 v1(13,-183.7) ; U2.M6@12.5,-181.2 v1(13,-181.7) ; U2.P6@12.5,-179.2 v1(13,-179.7) ; U2.T6@12.5,-177.2 v1(13,-177.7) ; U2.V6@12.5,-175.2 v1(13,-175.7) ; U2.W6@12.5,-174.2 v1(13,-173.7) ; U2.AA6@12.5,-172.2 v1(13,-171.7) ; U2.AC6@12.5,-170.2 v1(13,-169.7) ; U2.AE6@12.5,-168.2 v1(13,-167.7) ; U2.AG6@12.5,-166.2 v1(13,-165.7) ; U2.AJ6@12.5,-164.2 v1(13,-163.7) ; U2.AL6@12.5,-162.2 v1(13,-161.7) ; U1.AL31@12.5,-12.5 v1(13,-13) ; U1.AJ31@12.5,-10.5 v1(13,-11) ; U1.AG31@12.5,-8.5 v1(13,-9) ; U1.AE31@12.5,-6.5 v1(13,-7) ; U1.AC31@12.5,-4.5 v1(13,-5) ; U1.AA31@12.5,-2.5 v1(13,-3) ; U1.W31@12.5,-0.5 v1(13,-1) ; U1.V31@12.5,0.5 v1(13,1) ; U1.T31@12.5,2.5 v1(13,3) ; U1.P31@12.5,4.5 v1(13,5) ; U1.M31@12.5,6.5 v1(13,7) ; U1.K31@12.5,8.5 v1(13,9) ; U1.H31@12.5,10.5 v1(13,11) ; U1.F31@12.5,12.5 v1(13,13) ; U2.J5@13.5,-184.2 v1(14,-184.7) ; U2.L5@13.5,-182.2 v1(14,-182.7) ; U2.N5@13.5,-180.2 v1(14,-180.7) ; U2.R5@13.5,-178.2 v1(14,-178.7) ; U2.U5@13.5,-176.2 v1(14,-176.7) ; U2.AD5@13.5,-169.2 v1(14,-168.7) ; U2.AH5@13.5,-165.2 v1(14,-164.7) ; U2.AK5@13.5,-163.2 v1(14,-162.7) ; U1.AH32@13.5,-9.5 v1(14,-10) ; U1.AF32@13.5,-7.5 v1(14,-8) ; U1.AD32@13.5,-5.5 v1(14,-6) ; U1.AB32@13.5,-3.5 v1(14,-4) ; U1.Y32@13.5,-1.5 v1(14,-2) ; U1.N32@13.5,5.5 v1(14,6) ; U1.J32@13.5,9.5 v1(14,10) ; U1.G32@13.5,11.5 v1(14,12) ; U2.V4@14.5,-175.2 v1(15,-175.7) ; U1.W33@14.5,-0.5 v1(15,-1) ; U2.AF1@17.5,-167.2 v1(18,-166.7) ; U1.L36@17.5,7.5 v1(18,8)